# KiCad board keyboard.kicad_pcb
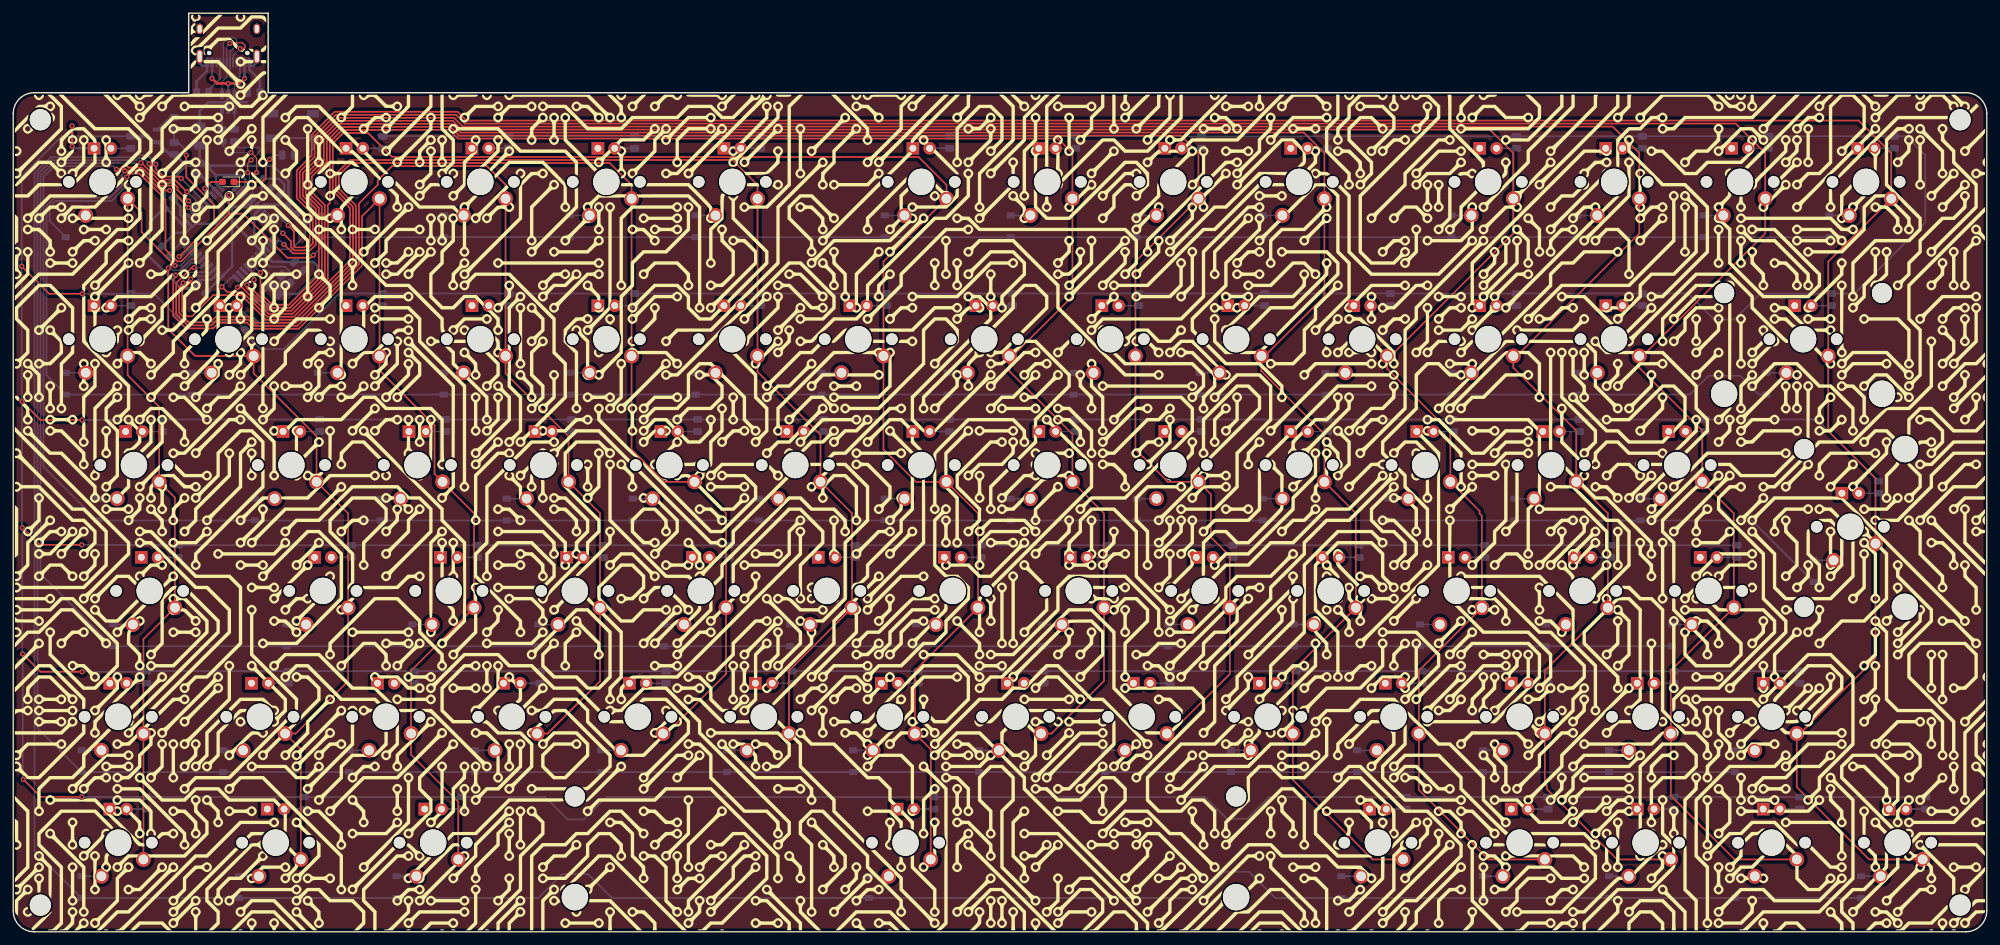
[diagram p0: board, top side]
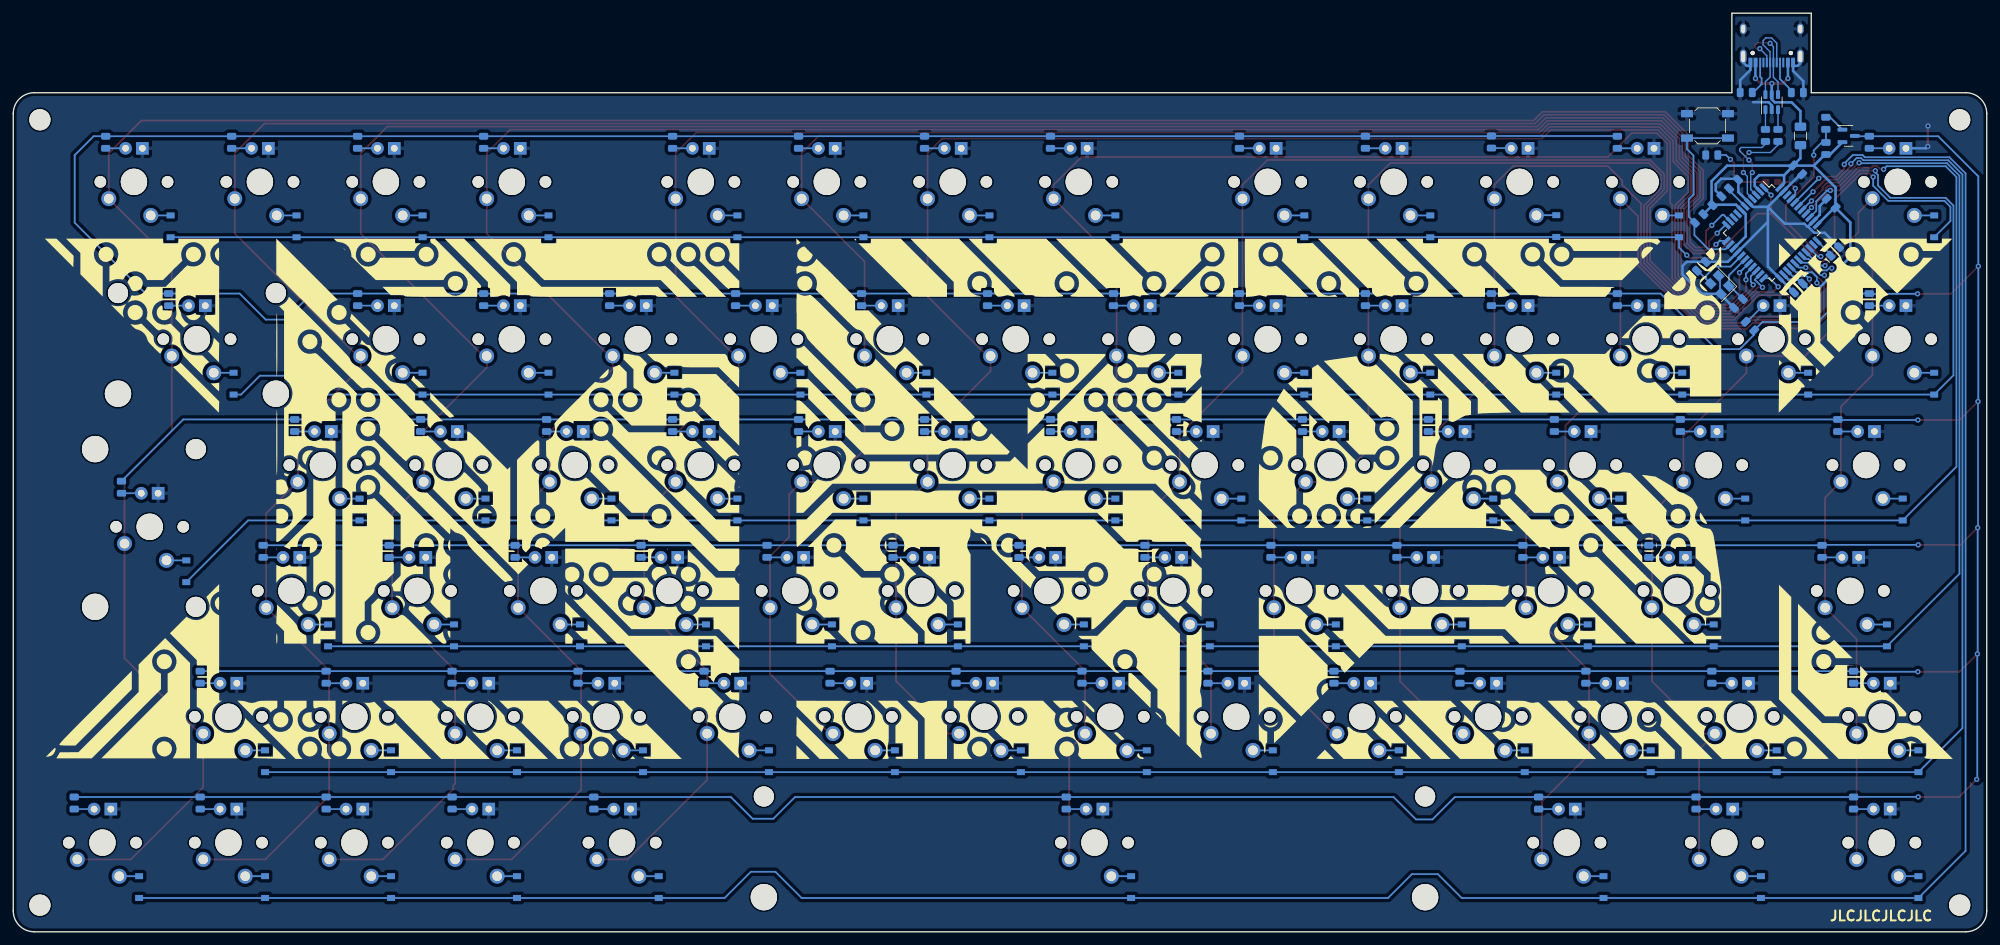
[diagram p1: board, bottom side, seen from below]

Outline 298.45 x 139.03 mm; copper layers: Top, Bottom. Coordinates in mm from the lower left corner of the outline.
Outline path: 0,123.83 0,3.17 arc(0.93,0.93) 3.17,0 295.27,0 arc(297.52,0.93) 298.45,3.17 298.45,123.83 arc(297.52,126.07) 295.27,127 38.54,127 38.54,139.03 26.54,139.03 26.54,127 3.17,127 arc(0.93,126.07) 0,123.83
Stack: Top 0.035mm / dielectric 1.51mm FR4 er 4.5 / Bottom 0.035mm

## Placement (name value [footprint] x y rotation side)
C1  22pF  [C_0805_2012Metric_NoSilk]  37.57 95.12 315 bottom
C2  22pF  [C_0805_2012Metric_NoSilk]  43.18 100.73 135 bottom
C3  1uF  [C_0805_2012Metric_NoSilk]  38.29 113.17 135 bottom
C4  0.1uF  [C_0805_2012Metric_NoSilk]  40.8 110.65 135 bottom
C5  0.1uF  [C_0805_2012Metric_NoSilk]  28.5 97.45 315 bottom
C6  0.1uF  [C_0805_2012Metric_NoSilk]  28.59 115.32 225 bottom
C7  10uF  [C_0805_2012Metric_NoSilk]  23.54 110.27 45 bottom
D1  LED  [LED_0603_1608Metric_Pad1.05x0.95mm_HandSolder]  32.52 113.51 180 top
D_0  D  [D_SOD-123_NoSilk]  7.95 106.78 90 bottom
D_1  D  [D_SOD-123_NoSilk]  46.54 106.78 90 bottom
D_2  D  [D_SOD-123_NoSilk]  65.1 106.81 90 bottom
D_3  D  [D_SOD-123_NoSilk]  84.15 106.78 90 bottom
D_4  D  [D_SOD-123_NoSilk]  103.2 106.78 90 bottom
D_5  D  [D_SOD-123_NoSilk]  131.78 106.78 90 bottom
D_6  D  [D_SOD-123_NoSilk]  150.83 106.78 90 bottom
D_7  D  [D_SOD-123_NoSilk]  169.88 106.78 90 bottom
D_8  D  [D_SOD-123_NoSilk]  188.93 106.78 90 bottom
D_9  D  [D_SOD-123_NoSilk]  217.5 106.78 90 bottom
D_10  D  [D_SOD-123_NoSilk]  236.55 106.78 90 bottom
D_11  D  [D_SOD-123_NoSilk]  255.6 106.78 90 bottom
D_12  D  [D_SOD-123_NoSilk]  274.65 106.78 90 bottom
D_13  D  [D_SOD-123_NoSilk]  7.95 82.96 90 bottom
D_14  D  [D_SOD-123_NoSilk]  27 82.96 90 bottom
D_15  D  [D_SOD-123_NoSilk]  46.05 82.96 90 bottom
D_16  D  [D_SOD-123_NoSilk]  65.1 82.96 90 bottom
D_17  D  [D_SOD-123_NoSilk]  84.15 82.96 90 bottom
D_18  D  [D_SOD-123_NoSilk]  103.2 82.96 90 bottom
D_19  D  [D_SOD-123_NoSilk]  122.25 82.96 90 bottom
D_20  D  [D_SOD-123_NoSilk]  141.3 82.96 90 bottom
D_21  D  [D_SOD-123_NoSilk]  160.35 82.96 90 bottom
D_22  D  [D_SOD-123_NoSilk]  179.4 82.96 90 bottom
D_23  D  [D_SOD-123_NoSilk]  198.45 82.96 90 bottom
D_24  D  [D_SOD-123_NoSilk]  217.5 82.96 90 bottom
D_25  D  [D_SOD-123_NoSilk]  236.55 82.96 90 bottom
D_26  D  [D_SOD-123_NoSilk]  265.13 82.96 90 bottom
D_27  D  [D_SOD-123_NoSilk]  12.72 63.91 90 bottom
D_28  D  [D_SOD-123_NoSilk]  36.53 63.91 90 bottom
D_29  D  [D_SOD-123_NoSilk]  55.58 63.91 90 bottom
D_30  D  [D_SOD-123_NoSilk]  74.63 63.91 90 bottom
D_31  D  [D_SOD-123_NoSilk]  93.68 63.91 90 bottom
D_32  D  [D_SOD-123_NoSilk]  112.73 63.91 90 bottom
D_33  D  [D_SOD-123_NoSilk]  131.78 63.91 90 bottom
D_34  D  [D_SOD-123_NoSilk]  150.83 63.91 90 bottom
D_35  D  [D_SOD-123_NoSilk]  169.88 63.91 90 bottom
D_36  D  [D_SOD-123_NoSilk]  188.93 63.91 90 bottom
D_37  D  [D_SOD-123_NoSilk]  207.98 63.91 90 bottom
D_38  D  [D_SOD-123_NoSilk]  227.03 63.91 90 bottom
D_39  D  [D_SOD-123_NoSilk]  246.08 63.91 90 bottom
D_40  D  [D_SOD-123_NoSilk]  272.27 54.57 90 bottom
D_41  D  [D_SOD-123_NoSilk]  15.1 44.86 90 bottom
D_42  D  [D_SOD-123_NoSilk]  41.29 44.86 90 bottom
D_43  D  [D_SOD-123_NoSilk]  60.34 44.86 90 bottom
D_44  D  [D_SOD-123_NoSilk]  79.39 44.86 90 bottom
D_45  D  [D_SOD-123_NoSilk]  98.44 44.86 90 bottom
D_46  D  [D_SOD-123_NoSilk]  117.49 44.86 90 bottom
D_47  D  [D_SOD-123_NoSilk]  136.54 44.86 90 bottom
D_48  D  [D_SOD-123_NoSilk]  155.59 44.86 90 bottom
D_49  D  [D_SOD-123_NoSilk]  174.64 44.86 90 bottom
D_50  D  [D_SOD-123_NoSilk]  193.69 44.86 90 bottom
D_51  D  [D_SOD-123_NoSilk]  212.74 44.86 90 bottom
D_52  D  [D_SOD-123_NoSilk]  231.79 44.86 90 bottom
D_53  D  [D_SOD-123_NoSilk]  250.84 44.86 90 bottom
D_54  D  [D_SOD-123_NoSilk]  10.34 25.81 90 bottom
D_55  D  [D_SOD-123_NoSilk]  31.77 25.81 90 bottom
D_56  D  [D_SOD-123_NoSilk]  50.82 25.81 90 bottom
D_57  D  [D_SOD-123_NoSilk]  69.87 25.81 90 bottom
D_58  D  [D_SOD-123_NoSilk]  88.92 25.81 90 bottom
D_59  D  [D_SOD-123_NoSilk]  107.97 25.81 90 bottom
D_60  D  [D_SOD-123_NoSilk]  127.02 25.81 90 bottom
D_61  D  [D_SOD-123_NoSilk]  146.07 25.81 90 bottom
D_62  D  [D_SOD-123_NoSilk]  165.12 25.81 90 bottom
D_63  D  [D_SOD-123_NoSilk]  184.17 25.81 90 bottom
D_64  D  [D_SOD-123_NoSilk]  203.22 25.81 90 bottom
D_65  D  [D_SOD-123_NoSilk]  222.27 25.81 90 bottom
D_66  D  [D_SOD-123_NoSilk]  241.32 25.81 90 bottom
D_67  D  [D_SOD-123_NoSilk]  260.37 25.81 90 bottom
D_68  D  [D_SOD-123_NoSilk]  10.34 6.76 90 bottom
D_69  D  [D_SOD-123_NoSilk]  34.15 6.76 90 bottom
D_70  D  [D_SOD-123_NoSilk]  57.96 6.76 90 bottom
D_71  D  [D_SOD-123_NoSilk]  129.4 6.76 90 bottom
D_72  D  [D_SOD-123_NoSilk]  200.84 6.76 90 bottom
D_73  D  [D_SOD-123_NoSilk]  222.27 6.76 90 bottom
D_74  D  [D_SOD-123_NoSilk]  241.32 6.76 90 bottom
D_75  D  [D_SOD-123_NoSilk]  260.37 6.76 90 bottom
D_76  D  [D_SOD-123_NoSilk]  279.42 6.76 90 bottom
F1  500mA  [Fuse_1206_3216Metric]  28.18 120.46 90 bottom
G***  -  [LOGO]  149.18 69.56 0 top
G***#2  -  [LOGO]  149.2 69.6 180 bottom
H1  MountingHole  [MountingHole_3.2mm_M3]  4.1 122.9 0 top
H2  MountingHole  [MountingHole_3.2mm_M3]  294.42 122.9 0 top
H3  MountingHole  [MountingHole_3.2mm_M3]  4.1 4.03 0 top
H4  MountingHole  [MountingHole_3.2mm_M3]  294.42 4.03 0 top
K_0  KEYSW  [MXOnly-1U]  13.49 113.51 180 top
K_1  KEYSW  [MXOnly-1U]  51.59 113.51 180 top
K_2  KEYSW  [MXOnly-1U]  70.64 113.51 180 top
K_3  KEYSW  [MXOnly-1U]  89.69 113.51 180 top
K_4  KEYSW  [MXOnly-1U]  108.74 113.51 180 top
K_5  KEYSW  [MXOnly-1U]  137.32 113.51 180 top
K_6  KEYSW  [MXOnly-1U]  156.37 113.51 180 top
K_7  KEYSW  [MXOnly-1U]  175.42 113.51 180 top
K_8  KEYSW  [MXOnly-1U]  194.47 113.51 180 top
K_9  KEYSW  [MXOnly-1U]  223.04 113.51 180 top
K_10  KEYSW  [MXOnly-1U]  242.09 113.51 180 top
K_11  KEYSW  [MXOnly-1U]  261.14 113.51 180 top
K_12  KEYSW  [MXOnly-1U]  280.19 113.51 180 top
K_13  KEYSW  [MXOnly-1U]  13.49 89.69 180 top
K_14  KEYSW  [MXOnly-1U]  32.54 89.69 180 top
K_15  KEYSW  [MXOnly-1U]  51.59 89.69 180 top
K_16  KEYSW  [MXOnly-1U]  70.64 89.69 180 top
K_17  KEYSW  [MXOnly-1U]  89.69 89.69 180 top
K_18  KEYSW  [MXOnly-1U]  108.74 89.69 180 top
K_19  KEYSW  [MXOnly-1U]  127.79 89.69 180 top
K_20  KEYSW  [MXOnly-1U]  146.84 89.69 180 top
K_21  KEYSW  [MXOnly-1U]  165.89 89.69 180 top
K_22  KEYSW  [MXOnly-1U]  184.94 89.69 180 top
K_23  KEYSW  [MXOnly-1U]  203.99 89.69 180 top
K_24  KEYSW  [MXOnly-1U]  223.04 89.69 180 top
K_25  KEYSW  [MXOnly-1U]  242.09 89.69 180 top
K_26  KEYSW  [MXOnly-2U-ReversedStabilizers]  270.67 89.69 180 top
K_27  KEYSW  [MXOnly-1.5U]  18.26 70.64 180 top
K_28  KEYSW  [MXOnly-1U]  42.07 70.64 180 top
K_29  KEYSW  [MXOnly-1U]  61.12 70.64 180 top
K_30  KEYSW  [MXOnly-1U]  80.17 70.64 180 top
K_31  KEYSW  [MXOnly-1U]  99.22 70.64 180 top
K_32  KEYSW  [MXOnly-1U]  118.27 70.64 180 top
K_33  KEYSW  [MXOnly-1U]  137.32 70.64 180 top
K_34  KEYSW  [MXOnly-1U]  156.37 70.64 180 top
K_35  KEYSW  [MXOnly-1U]  175.42 70.64 180 top
K_36  KEYSW  [MXOnly-1U]  194.47 70.64 180 top
K_37  KEYSW  [MXOnly-1U]  213.52 70.64 180 top
K_38  KEYSW  [MXOnly-1U]  232.57 70.64 180 top
K_39  KEYSW  [MXOnly-1U]  251.62 70.64 180 top
K_40  KEYSW  [MXOnly-ISO_NorthFacing]  277.81 61.12 0 top
K_41  KEYSW  [MXOnly-1.75U]  20.64 51.59 180 top
K_42  KEYSW  [MXOnly-1U]  46.83 51.59 180 top
K_43  KEYSW  [MXOnly-1U]  65.88 51.59 180 top
K_44  KEYSW  [MXOnly-1U]  84.93 51.59 180 top
K_45  KEYSW  [MXOnly-1U]  103.98 51.59 180 top
K_46  KEYSW  [MXOnly-1U]  123.03 51.59 180 top
K_47  KEYSW  [MXOnly-1U]  142.08 51.59 180 top
K_48  KEYSW  [MXOnly-1U]  161.13 51.59 180 top
K_49  KEYSW  [MXOnly-1U]  180.18 51.59 180 top
K_50  KEYSW  [MXOnly-1U]  199.23 51.59 180 top
K_51  KEYSW  [MXOnly-1U]  218.28 51.59 180 top
K_52  KEYSW  [MXOnly-1U]  237.33 51.59 180 top
K_53  KEYSW  [MXOnly-1U]  256.38 51.59 180 top
K_54  KEYSW  [MXOnly-1.25U]  15.88 32.54 180 top
K_55  KEYSW  [MXOnly-1U]  37.31 32.54 180 top
K_56  KEYSW  [MXOnly-1U]  56.36 32.54 180 top
K_57  KEYSW  [MXOnly-1U]  75.41 32.54 180 top
K_58  KEYSW  [MXOnly-1U]  94.46 32.54 180 top
K_59  KEYSW  [MXOnly-1U]  113.51 32.54 180 top
K_60  KEYSW  [MXOnly-1U]  132.56 32.54 180 top
K_61  KEYSW  [MXOnly-1U]  151.61 32.54 180 top
K_62  KEYSW  [MXOnly-1U]  170.66 32.54 180 top
K_63  KEYSW  [MXOnly-1U]  189.71 32.54 180 top
K_64  KEYSW  [MXOnly-1U]  208.76 32.54 180 top
K_65  KEYSW  [MXOnly-1U]  227.81 32.54 180 top
K_66  KEYSW  [MXOnly-1U]  246.86 32.54 180 top
K_67  KEYSW  [MXOnly-1U]  265.91 32.54 180 top
K_68  KEYSW  [MXOnly-1.25U]  15.88 13.49 180 top
K_69  KEYSW  [MXOnly-1.25U]  39.69 13.49 180 top
K_70  KEYSW  [MXOnly-1.25U]  63.5 13.49 180 top
K_71  KEYSW  [MXOnly-6.25U-ReversedStabilizers]  134.94 13.49 180 top
K_72  KEYSW  [MXOnly-1.25U]  206.38 13.49 180 top
K_73  KEYSW  [MXOnly-1U]  227.81 13.49 180 top
K_74  KEYSW  [MXOnly-1U]  246.86 13.49 180 top
K_75  KEYSW  [MXOnly-1U]  265.91 13.49 180 top
K_76  KEYSW  [MXOnly-1U]  284.96 13.49 180 top
Q1  AO3401A  [SOT-23]  20.89 120.46 180 bottom
R1  10k  [R_0805_2012Metric_NoSilk]  43.5 107.96 315 bottom
R2  22  [R_0805_2012Metric_NoSilk]  31.57 120.53 90 bottom
R3  22  [R_0805_2012Metric_NoSilk]  33.47 120.53 90 bottom
R4  10k  [R_0805_2012Metric_NoSilk]  22.98 102.98 315 bottom
R5  2K  [R_0805_2012Metric_NoSilk]  17.76 119.5 90 bottom
R6  2K  [R_0805_2012Metric_NoSilk]  55.86 119.5 90 bottom
R7  2K  [R_0805_2012Metric_NoSilk]  74.91 119.53 90 bottom
R8  2K  [R_0805_2012Metric_NoSilk]  93.96 119.5 90 bottom
R9  2K  [R_0805_2012Metric_NoSilk]  113.01 119.5 90 bottom
R10  2K  [R_0805_2012Metric_NoSilk]  141.59 119.5 90 bottom
R11  2K  [R_0805_2012Metric_NoSilk]  160.64 119.5 90 bottom
R12  2K  [R_0805_2012Metric_NoSilk]  179.69 119.5 90 bottom
R13  2K  [R_0805_2012Metric_NoSilk]  198.74 119.5 90 bottom
R14  2K  [R_0805_2012Metric_NoSilk]  227.31 119.5 90 bottom
R15  2K  [R_0805_2012Metric_NoSilk]  246.36 119.5 90 bottom
R16  2K  [R_0805_2012Metric_NoSilk]  265.41 119.5 90 bottom
R17  2K  [R_0805_2012Metric_NoSilk]  284.46 119.5 90 bottom
R18  100  [R_0805_2012Metric_NoSilk]  24.34 122.37 270 bottom
R19  2K  [R_0805_2012Metric_NoSilk]  17.76 95.69 90 bottom
R20  2K  [R_0805_2012Metric_NoSilk]  35.81 91.69 225 bottom
R21  2K  [R_0805_2012Metric_NoSilk]  55.86 95.69 90 bottom
R22  2K  [R_0805_2012Metric_NoSilk]  74.91 95.69 90 bottom
R23  2K  [R_0805_2012Metric_NoSilk]  93.96 95.69 90 bottom
R24  2K  [R_0805_2012Metric_NoSilk]  113.01 95.69 90 bottom
R25  2K  [R_0805_2012Metric_NoSilk]  132.06 95.69 90 bottom
R26  2K  [R_0805_2012Metric_NoSilk]  151.11 95.69 90 bottom
R27  2K  [R_0805_2012Metric_NoSilk]  170.16 95.69 90 bottom
R28  2K  [R_0805_2012Metric_NoSilk]  189.21 95.69 90 bottom
R29  2K  [R_0805_2012Metric_NoSilk]  208.26 95.69 90 bottom
R30  2K  [R_0805_2012Metric_NoSilk]  227.31 95.69 90 bottom
R31  2K  [R_0805_2012Metric_NoSilk]  274.94 95.69 90 bottom
R32  2K  [R_0805_2012Metric_NoSilk]  22.53 76.64 90 bottom
R33  2K  [R_0805_2012Metric_NoSilk]  46.34 76.64 90 bottom
R34  2K  [R_0805_2012Metric_NoSilk]  65.39 76.64 90 bottom
R35  2K  [R_0805_2012Metric_NoSilk]  84.44 76.64 90 bottom
R36  2K  [R_0805_2012Metric_NoSilk]  103.49 76.64 90 bottom
R37  2K  [R_0805_2012Metric_NoSilk]  122.54 76.64 90 bottom
R38  2K  [R_0805_2012Metric_NoSilk]  141.59 76.64 90 bottom
R39  2K  [R_0805_2012Metric_NoSilk]  160.64 76.64 90 bottom
R40  2K  [R_0805_2012Metric_NoSilk]  179.69 76.64 90 bottom
R41  2K  [R_0805_2012Metric_NoSilk]  198.74 76.64 90 bottom
R42  2K  [R_0805_2012Metric_NoSilk]  217.79 76.64 90 bottom
R43  2K  [R_0805_2012Metric_NoSilk]  236.84 76.64 90 bottom
R44  2K  [R_0805_2012Metric_NoSilk]  255.89 76.64 90 bottom
R45  2K  [R_0805_2012Metric_NoSilk]  282.08 67.29 90 bottom
R46  2K  [R_0805_2012Metric_NoSilk]  24.91 57.59 90 bottom
R47  2K  [R_0805_2012Metric_NoSilk]  51.1 57.59 90 bottom
R48  2K  [R_0805_2012Metric_NoSilk]  70.15 57.59 90 bottom
R49  2K  [R_0805_2012Metric_NoSilk]  89.2 57.59 90 bottom
R50  2K  [R_0805_2012Metric_NoSilk]  108.25 57.59 90 bottom
R51  2K  [R_0805_2012Metric_NoSilk]  127.3 57.59 90 bottom
R52  2K  [R_0805_2012Metric_NoSilk]  146.35 57.59 90 bottom
R53  2K  [R_0805_2012Metric_NoSilk]  165.4 57.59 90 bottom
R54  2K  [R_0805_2012Metric_NoSilk]  184.45 57.59 90 bottom
R55  2K  [R_0805_2012Metric_NoSilk]  203.5 57.59 90 bottom
R56  2K  [R_0805_2012Metric_NoSilk]  222.55 57.59 90 bottom
R57  2K  [R_0805_2012Metric_NoSilk]  241.6 57.59 90 bottom
R58  2K  [R_0805_2012Metric_NoSilk]  260.65 57.59 90 bottom
R59  2K  [R_0805_2012Metric_NoSilk]  20.14 38.54 90 bottom
R60  2K  [R_0805_2012Metric_NoSilk]  41.58 38.54 90 bottom
R61  2K  [R_0805_2012Metric_NoSilk]  60.63 38.54 90 bottom
R62  2K  [R_0805_2012Metric_NoSilk]  79.68 38.54 90 bottom
R63  2K  [R_0805_2012Metric_NoSilk]  98.73 38.54 90 bottom
R64  2K  [R_0805_2012Metric_NoSilk]  117.78 38.54 90 bottom
R65  2K  [R_0805_2012Metric_NoSilk]  136.83 38.54 90 bottom
R66  2K  [R_0805_2012Metric_NoSilk]  155.88 38.54 90 bottom
R67  2K  [R_0805_2012Metric_NoSilk]  174.93 38.54 90 bottom
R68  2K  [R_0805_2012Metric_NoSilk]  193.98 38.54 90 bottom
R69  2K  [R_0805_2012Metric_NoSilk]  213.03 38.54 90 bottom
R70  2K  [R_0805_2012Metric_NoSilk]  232.08 38.54 90 bottom
R71  2K  [R_0805_2012Metric_NoSilk]  251.13 38.54 90 bottom
R72  2K  [R_0805_2012Metric_NoSilk]  270.18 38.54 90 bottom
R73  2K  [R_0805_2012Metric_NoSilk]  20.14 19.49 90 bottom
R74  2K  [R_0805_2012Metric_NoSilk]  43.96 19.49 90 bottom
R75  2K  [R_0805_2012Metric_NoSilk]  67.77 19.49 90 bottom
R76  2K  [R_0805_2012Metric_NoSilk]  139.21 19.49 90 bottom
R77  2K  [R_0805_2012Metric_NoSilk]  210.65 19.49 90 bottom
R78  2K  [R_0805_2012Metric_NoSilk]  232.08 19.49 90 bottom
R79  2K  [R_0805_2012Metric_NoSilk]  251.13 19.49 90 bottom
R80  2K  [R_0805_2012Metric_NoSilk]  270.18 19.49 90 bottom
R81  2K  [R_0805_2012Metric_NoSilk]  289.23 19.49 90 bottom
R82  5k1  [R_0805_2012Metric_NoSilk]  28.65 127.02 0 bottom
R83  5k1  [R_0805_2012Metric_NoSilk]  36.38 127.03 180 bottom
R84  2K  [R_0805_2012Metric_NoSilk]  246.36 95.69 90 bottom
R85  10k  [R_0805_2012Metric_NoSilk]  24.32 118.56 270 bottom
R86  470  [R_0805_2012Metric_NoSilk]  41.59 117.57 0 bottom
SW1  SW_Push  [SW_SPST_SKQG_WithStem]  42.24 121.98 180 bottom
U1  ATmega32U4-AU  [TQFP-44_10x10mm_P0.8mm]  32.52 105.78 225 bottom
U2  USBLC6-2SC6  [SOT-23-6]  32.52 125.57 90 bottom
USB1  HRO-TYPE-C-31-M-12  [HRO-TYPE-C-31-M-12-Assembly]  32.52 139.26 0 bottom
Y1  16MHz  [Crystal_SMD_3225-4Pin_3.2x2.5mm]  40.38 97.92 45 bottom

## Library data of the parts
SW1 = -: Field4: No F.Cu tracks; Field5: No F.Cu tracks; Field6: KEEP-OUT ZONE; Field7: KEEP-OUT ZONE

## Footprints (pads in the part's own frame, mm; a bottom-side part is the same pattern mirrored in y, then rotated)
C_0805_2012Metric_NoSilk
  rrect 1x1.45 smd: 1(-0.95,0) 2(0.95,0)
Crystal_SMD_3225-4Pin_3.2x2.5mm
  rect 1.4x1.2 smd: 1(-1.1,-0.85) 2(1.1,-0.85) 3(1.1,0.85) 4(-1.1,0.85)
D_SOD-123_NoSilk
  rect 0.9x1.2 smd: 1(-1.65,0) 2(1.65,0)
Fuse_1206_3216Metric
  rrect 1.25x1.75 smd: 1(-1.4,0) 2(1.4,0)
HRO-TYPE-C-31-M-12-Assembly
  round 0.65 hole 0.65 unplated: (-2.89,6.25) (2.89,6.25)
  rect 0.6x1.45 smd: 1(-3.225,7.695) 2(-2.45,7.695) 11(2.45,7.695) 12(3.225,7.695)
  rect 0.3x1.45 smd: 3(-1.75,7.695) 4(-1.25,7.695) 5(-0.75,7.695) 6(-0.25,7.695) 7(0.25,7.695) 8(0.75,7.695) 9(1.25,7.695) 10(1.75,7.695)
  oval 1x1.6 hole 0.6x1.2: 13(-4.32,2.6) 13(4.32,2.6)
  oval 1x2.1 hole 0.6x1.7: 13(-4.32,6.78) 13(4.32,6.78)
LED_0603_1608Metric_Pad1.05x0.95mm_HandSolder
  rrect 1.05x0.95 smd: 1(-0.875,0) 2(0.875,0)
MountingHole_3.2mm_M3
  round 3.2 hole 3.2 unplated: (0,0)
MXOnly-1.5U
  round 1.75 hole 1.75 unplated: (-5.08,0) (5.08,0)
  round 3.988 hole 3.988 unplated: (0,0)
  round 2.25 hole 1.47: 1(-3.81,2.54) 2(2.54,5.08)
  round 1.905 hole 1.04: 3(-1.27,-5.08)
  rect 1.905x1.905 hole 1.04: 4(1.27,-5.08)
MXOnly-1.25U
  round 1.75 hole 1.75 unplated: (-5.08,0) (5.08,0)
  round 3.988 hole 3.988 unplated: (0,0)
  round 2.25 hole 1.47: 1(-3.81,2.54) 2(2.54,5.08)
  round 1.905 hole 1.04: 3(-1.27,-5.08)
  rect 1.905x1.905 hole 1.04: 4(1.27,-5.08)
MXOnly-1.75U
  round 1.75 hole 1.75 unplated: (-5.08,0) (5.08,0)
  round 3.988 hole 3.988 unplated: (0,0)
  round 2.25 hole 1.47: 1(-3.81,2.54) 2(2.54,5.08)
  round 1.905 hole 1.04: 3(-1.27,-5.08)
  rect 1.905x1.905 hole 1.04: 4(1.27,-5.08)
MXOnly-1U
  round 1.75 hole 1.75 unplated: (-5.08,0) (5.08,0)
  round 3.988 hole 3.988 unplated: (0,0)
  round 2.25 hole 1.47: 1(-3.81,2.54) 2(2.54,5.08)
  round 1.905 hole 1.04: 3(-1.27,-5.08)
  rect 1.905x1.905 hole 1.04: 4(1.27,-5.08)
MXOnly-2U-ReversedStabilizers
  round 3.988 hole 3.988 unplated: (-11.938,8.255) (0,0) (11.938,8.255)
  round 3.048 hole 3.048 unplated: (-11.938,-6.985) (11.938,-6.985)
  round 1.75 hole 1.75 unplated: (-5.08,0) (5.08,0)
  round 2.25 hole 1.47: 1(-3.81,2.54) 2(2.54,5.08)
  round 1.905 hole 1.04: 3(-1.27,-5.08)
  rect 1.905x1.905 hole 1.04: 4(1.27,-5.08)
MXOnly-6.25U-ReversedStabilizers
  round 3.988 hole 3.988 unplated: (-50,8.255) (0,0) (50,8.255)
  round 3.048 hole 3.048 unplated: (-50,-6.985) (50,-6.985)
  round 1.75 hole 1.75 unplated: (-5.08,0) (5.08,0)
  round 2.25 hole 1.47: 1(-3.81,2.54) 2(2.54,5.08)
  round 1.905 hole 1.04: 3(-1.27,-5.08)
  rect 1.905x1.905 hole 1.04: 4(1.27,-5.08)
MXOnly-ISO_NorthFacing
  round 3.048 hole 3.048 unplated: (-6.985,11.938) (-6.985,-11.938)
  round 1.75 hole 1.75 unplated: (-5.08,0.18) (5.08,0.18)
  round 3.988 hole 3.988 unplated: (0,0.18) (8.255,11.938) (8.255,-11.938)
  round 2.25 hole 1.47: 1(3.81,-2.36) 2(-2.54,-4.9)
  round 1.905 hole 1.04: 3(1.27,5.26)
  rect 1.905x1.905 hole 1.04: 4(-1.27,5.26)
R_0805_2012Metric_NoSilk
  rrect 1.025x1.4 smd: 1(-0.912,0) 2(0.912,0)
SOT-23
  rrect 1.475x0.6 smd: 1(-0.938,0.95) 2(-0.938,-0.95) 3(0.938,0)
SOT-23-6
  rrect 1.325x0.6 smd: 1(-1.137,0.95) 2(-1.137,0) 3(-1.137,-0.95) 4(1.137,-0.95) 5(1.137,0) 6(1.137,0.95)
SW_SPST_SKQG_WithStem
  rect 1.8x1.1 smd: 1(-3.1,1.85) 1(3.1,1.85) 2(-3.1,-1.85) 2(3.1,-1.85)
TQFP-44_10x10mm_P0.8mm
  rect 1.5x0.55 smd: 1(-5.7,4) 2(-5.7,3.2) 3(-5.7,2.4) 4(-5.7,1.6) 5(-5.7,0.8) 6(-5.7,0) 7(-5.7,-0.8) 8(-5.7,-1.6) 9(-5.7,-2.4) 10(-5.7,-3.2) 11(-5.7,-4) 23(5.7,-4) 24(5.7,-3.2) 25(5.7,-2.4) 26(5.7,-1.6) 27(5.7,-0.8) 28(5.7,0) 29(5.7,0.8) 30(5.7,1.6) 31(5.7,2.4) 32(5.7,3.2) 33(5.7,4)
  rect 0.55x1.5 smd: 12(-4,-5.7) 13(-3.2,-5.7) 14(-2.4,-5.7) 15(-1.6,-5.7) 16(-0.8,-5.7) 17(0,-5.7) 18(0.8,-5.7) 19(1.6,-5.7) 20(2.4,-5.7) 21(3.2,-5.7) 22(4,-5.7) 34(4,5.7) 35(3.2,5.7) 36(2.4,5.7) 37(1.6,5.7) 38(0.8,5.7) 39(0,5.7) 40(-0.8,5.7) 41(-1.6,5.7) 42(-2.4,5.7) 43(-3.2,5.7) 44(-4,5.7)
